# Altium PCB UVM AERO BSPD.PcbDoc (part 1 of 2) (continued)
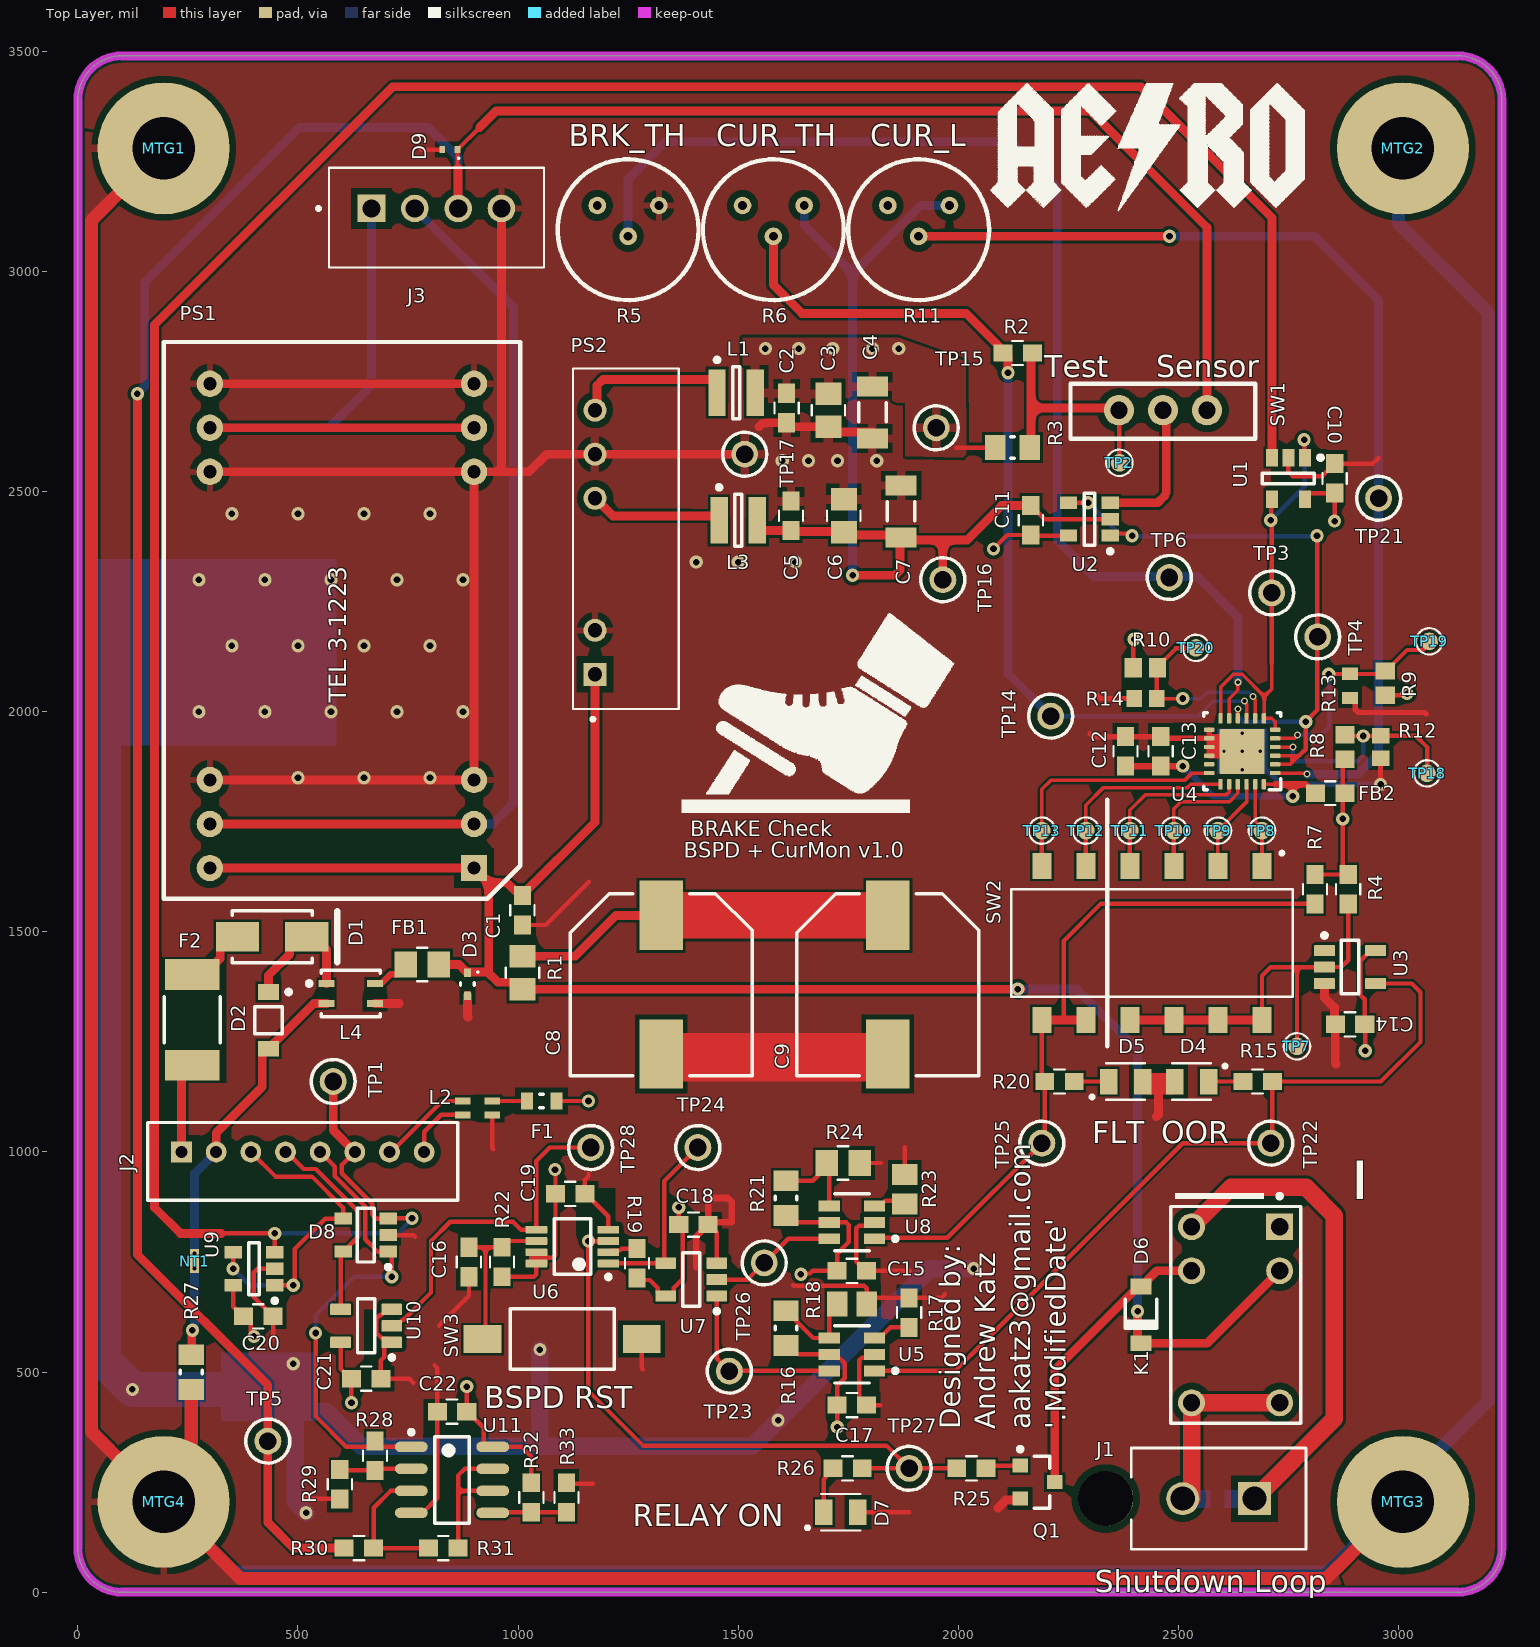
[diagram p0: Top Layer view]
## Part data (continued)
FB1: library part 742792097, "Ferrite Chip 1000 mA 1500 Ohms Differential Mode - Single 0805 Footprint", Current (mA)=1000, DC Resistance (ohms)=0.3, Frequency="100 MHz", Impedance at Freq (ohms)=1500, Manufacturer="Wurth Electronics", Operating Temperature Range="-55 to +125 °C", PCB Package=0805, ComponentLink1Description="Manufacturer Website", ComponentLink1URL=http://www.we-online.com, ComponentLink2Description="Component Datasheet", ComponentLink2URL=http://www.we-online.com/eisos/pdf/742792097.pdf, ComponentLink3Description="Octopart Link", ComponentLink3URL=http://octopart.com/partsearch/#search/requestData&q=742792097, Description in Visual="Ferrite SMT 1000mA 1500Ohm Dif Mode 0805", Filter type="Differential Mode - Single", Manufacturer P/N=742792097, P/N=742792097, Usage="Power Supply"
FB2: library part MMZ1608S121A, "Ferrite Chip 500 mA 120 Ohms Differential Mode - Single 0603 Footprint", Current (mA)=500, DC Resistance (ohms)=0.2, Frequency="100 MHz", Impedance at Freq (ohms)=120, Manufacturer=TDK, Operating Temperature Range="-55 to +125 °C", PCB Package=0603, ComponentLink1Description="Manufacturer Website", ComponentLink1URL=http://www.tdk.com/, ComponentLink2Description="Component Datasheet", ComponentLink2URL=http://www.tdk.co.jp/tefe02/e9412_mmz1608.pdf, ComponentLink3Description="Octopart Link", ComponentLink3URL=http://octopart.com/partsearch/#search/requestData&q=MMZ1608S121A, Description in Visual="Ferrite SMT 500mA 120Ohm Dif Mode 0603", Filter type="Differential Mode - Single", Manufacturer P/N=MMZ1608S121A, P/N=MMZ1608S121A, Usage="Signal Line"
J1: "Connector Header Through Hole 2 position 0.163\" (4.14mm)", Built_By=EMA_UL_Team, Copyright="Copyright (C) 2018 Accelerated Designs. All rights reserved", Manufacturer_Part_Number=1-770872-0, RefDes=RefDes, Type=DEV, Vendor="TE Connectivity"
J2: "Connector Header Through Hole 8 position 0.079\" (2.00mm)", Supplier Part Number 1=455-1710-ND, Supplier 1=Digi-Key
J3: "Connector Header Through Hole 4 position 0.098\" (2.50mm)", Manufacturer=JST, Supplier Part Number 1=73M9436, Datasheet Version=Apr-09, Manufacturer URL=http://www.jst.com/home2.html, No of Positions=4, Style/Orientation=StraightHeader/Plug, Supplier 1=Newark, Termination=Crimp, Type=ShroudedHeader
K1: "General Purpose Relay SPDT (1 Form C) Through Hole", Ambient Temperature Range High=+70°C, Ambient Temperature Range Low=-40°C, Coil Current=12.5mA, Coil Power=150mW, Coil Resistance=960Ω, Current Rating=2A, Digikey Part Number=Z774-ND, Manufacturer=Omron, Mouser Part Number=653-G5V-1-DC12, Switching Current=1A, Temperature="-40°C to +70°C", Automotive=No, Coil Type=Non-Latching, ComponentLink1Description=Upverter, ComponentLink1URL=https://upverter.com/upn/revision/60c0f3c9560d0c93/, ComponentLink2Description=Datasheet, ComponentLink2URL=https://omronfs.omron.com/en_US/ecb/products/pdf/en-g5v_1.pdf, Datasheet Path=datasheets/Relay_Omron_G5V-1-DC12_eec.pdf, Digikey Description="RELAY GEN PURPOSE SPDT 1A 125V", Height=10mm, HelpURL=https://upverter.com/upn/revision/60c0f3c9560d0c93/, Lead Free=Yes, Mouser Description="Relay; E-Mech; Low Signal; SPDT; Cur-Rtg 1A; Ctrl-V 12DC; Vol-Rtg 125/60AC/DC; PCB Mnt", Number of Contacts=1, Package=G5V-1-DC12, Part Number=G5V-1-DC12, Price=1.48127132607, RoHS=TRUE, Standoff Height=0.5mm, Supplier 1=Digi-Key, Supplier 2=Mouser, Supplier Part Number 1=Z774-ND, Supplier Part Number 2=653-G5V-1-DC12, Temperature Range High=+70°C, Temperature Range Low=-40°C, Throw Configuration=SPDT, Verification Version=0.0.0.1
L1 L3: "Semi-shielded Power Inductor, 22 uH, +/- 20%, 0.6 A, -40 to 125 degC, 3 x 3 x 1.5 mm SMD, RoHS and Halogen Free, Tape and Reel", Inductance="22 uH", Inductance Tolerance="+/- 20%", Manufacturer=Bourns, Operating Temperature="-40 to 125 degC", Rated current="0.6 A", Resistance to Solder Heat="+260 degC for 10 sec.", Supplier Part Number 1=SRN3015-220MCT-ND, ComponentLink1Description="Manufacturer URL", ComponentLink1URL=http://www.bourns.com/, ComponentLink2Description=Datasheet, ComponentLink2URL=http://www.bourns.com/data/global/pdfs/SRN3015.pdf, ComponentLink3Description="Package Specification", ComponentLink3URL=http://www.bourns.com/data/global/pdfs/SRN3015.pdf, DatasheetVersion=Aug-11, DCR Max="0.622 Ohm", Isat="0.58 A", Manufacturer 1=Bourns, Manufacturer Part Number 1=SRN3015-220M, Mounting Technology="Surface Mount", PackageDescription="2-Pin SMD, Body 3 x 3 mm, Height 1.5 mm", PackageReference=SRN3015, Packing="Tape and Reel", PartNumber=SRN3015-220M, RoHS=TRUE, SRF Min="28 MHz", Supplier 1=Digi-Key
L2: library part CMP-0222-00041-1, "SMD Common Mode Noise Suppressor WE-CNSW, Z = 260 Ohm", ComponentLink1Description="Manufacturer Link", ComponentLink1URL=http://www.we-online.com, ComponentLink2Description=Datasheet, ComponentLink2URL=http://www.we-online.de/katalog/media/pdf/744231261.pdf, DatasheetVersion="ver 4, Nov-2010", Impedance="260 Ohm", PackageDescription="SMD Inductor, 4-Leads, Body 1.4 x 2.2 mm", PackageReference=WE-CNSW-0805, PackageVersion=2010
L4: "Common Mode Filter, 1000 Ohm Impedance, 1.2 A, 60 V, -40 to 85 degC, 4-Pin SMD, RoHS, Tape and Reel", Current=1.5A, DC Resistance (DCR)=50mOhm, Inductance=-, Manufacturer=TDK, Operating Temperature=-40degC~85degC, Package / Case=1210(3225Metric),4Lead, Package Description="4-Pin Surface Mount Device, Body 3.2 x 2.5 mm, Pitch 1.15 mm", Package Reference=ACP3225-102-2P-T000-4, Standard Package=1, Category=Filters, Datasheet URL=https://datasheet.ciiva.com/30106/acp3225-series-30106482.pdf, Datasheet Version="Rev. 8, 07/2011", Family=CommonModeChokes, Featured Product=ACP3225SeriesFilter, Filter type=PowerLine, Height (Max)="0.079\"(2.00mm)", Impedance=1kOhm, Manufacturer 1=TDK, Manufacturer Part Number 1=ACP3225-102-2P-T000, Manufacturer URL=http://www.tdk.com/, Mounting Type=SurfaceMount, Number of Lines=2, Online Catalog=ACPSeries, Other Names=445-8637-6, Packaging=Digi-Reel, Series=ACP, Size / Dimension="0.126\"Lx0.098\"W(3.20mmx2.50mm)"
MTG1 MTG2 MTG3 MTG4: library part "MTG M3", "PCB Mounting for M3 Screw", PCB Package=M3, P/N="MTG M3"
NT1: library part "NET TIE", "Net Tie (No BOM)"
PS1: "Isolated Module DC DC Converter 2 Output 15V -15V   100mA, 100mA 9V - 18V Input", Supplier Part Number 1=1951-2538-ND, Supplier 1=Digi-Key
PS2: "Isolated Module DC DC Converter 2 Output 5V -5V   200mA, 200mA 10.8V - 13.2V Input", Supplier Part Number 1=811-3393-5-ND, Supplier 1=Digi-Key
Q1: library part CMP-2000-04929-1, "N-Channel Enhancement Mode Field Effect Transistor, 60 V, 0.115 A, -55 to 150 degC, 3-Pin SOT23, RoHS, Tape and Reel", Id - Continuous Drain Current=115mA, Manufacturer=DiodesIncorporated, Maximum Operating Temperature=+150C, Minimum Operating Temperature=-55C, Package / Case=SOT-23-3, Package Description="3-Pin Small Outline Transistor, Body 2.9 x 1.3 mm, Pitch 0.96 mm", Package Reference=SOT23-3, Pd - Power Dissipation=300mW, Rds On - Drain-Source Resistance=7.5Ohms, Vds - Drain-Source Breakdown Voltage=70V, Vgs - Gate-Source Voltage=20V, Brand=DiodesIncorporated, Channel Mode=Enhancement, Configuration=Single, Datasheet URL=http://datasheet.octopart.com/2N7002-7-F-Diodes-Inc.-datasheet-8326113.pdf, Datasheet Version="Rev. 21-2, 02/2009", Factory Pack Quantity=3000, Fall Time=5.6ns, Forward Transconductance - Min=0.08S, Height=1mm, Length=2.9mm, Manufacturer URL=http://www.diodes.com/, Mounting Style=SMD/SMT, Number of Channels=1Channel, Packaging=Reel, Product=MOSFETSmallSignal, Product Category=MOSFET, Rise Time=3ns, RoHS=True, Series=2N7002, Technology=Si, Transistor Polarity=N-Channel, Transistor Type=1N-Channel, Type=EnhancementModeFieldEffectTransistor, Typical Turn-Off Delay Time=11ns, Typical Turn-On Delay Time=7ns, Unit Weight=0.000282oz, Width=1.3mm
R1: "Resistor Surface Mount, 2 Ohms, 0805 Footprint, 1% Tolerance 0.125W", Manufacturer=Various, PCB Package=0805, Power_Rating=0.125W, Tolerance=1%, Description in Visual="Res SMT 2 0805  1%  0.125W", Manufacturer P/N=Various, P/N="RES 0805 2 1%", Tol=1%, Val=2
R2: "Resistor Surface Mount, 330K Ohms, 0603 Footprint, 1% Tolerance 0.1W", Manufacturer=Various, PCB Package=0603, Power_Rating=0.1W, Tolerance=1%, Description in Visual="Res SMT 330K 0603  1%  0.1W", Manufacturer P/N=Various, P/N="RES 0603 330K 1%", Tol=1%, Val=330K
R3 R16 R21 R27: library part CMP-2001-01491-1, Manufacturer=Yageo, Part Number=RT0805BRE071ML
R4 R7: "Resistor Surface Mount, 10K Ohms, 0603 Footprint, 1% Tolerance 0.1W", Manufacturer=Various, PCB Package=0603, Power_Rating=0.1W, Tolerance=1%, Description in Visual="Res SMT 10K 0603  1%  0.1W", Manufacturer P/N=Various, P/N="RES 0603 10K 1%", Tol=1%, Val=10K
R5 R6 R11: "10 kOhms 0.5W, 1/2W PC Pins Through Hole Trimmer Potentiometer Cermet 4 Turn Top Adjustment", Supplier Part Number 1=3339H-103LF-ND, ComponentLink2Description=Datasheet, ComponentLink2URL=https://www.ttelectronics.com/TTElectronics/media/ProductFiles/Trimmers/Datasheets/67.pdf, Supplier 1=Digi-Key
R8 R10: library part CMP-2000-02599-1, Manufacturer=Susumu, Part Number=RR0816P-301-D
R9: library part CMP-2000-02514-1, Manufacturer=Susumu, Part Number=RR0816P-183-D
R12 R14: library part CMP-2000-02579-1, Manufacturer=Susumu, Part Number=RR0816P-272-D
R13: library part CMP-2000-04621-1, Manufacturer=Yageo, Part Number=RT0603DRE072KL
R15 R20 R26: "Resistor Surface Mount, 620 Ohms, 0603 Footprint, 1% Tolerance 0.1W", Manufacturer=Various, PCB Package=0603, Power_Rating=0.1W, Tolerance=1%, Description in Visual="Res SMT 620 0603  1%  0.1W", Manufacturer P/N=Various, P/N="RES 0603 620 1%", Tol=1%, Val=620
R17: "Resistor Surface Mount, 49.9K Ohms, 0603 Footprint, 0.1% Tolerance 0.1W", Manufacturer=Various, PCB Package=0603, Power_Rating=0.1W, Tolerance=0.1%, Description in Visual="Res SMT 49.9K 0603  0.1%  0.1W", Manufacturer P/N=Various, P/N="RES 0603 49.9K 0.1%", Tol=0.1%, Val=49.9K
R18 R23: library part CMP-2001-00870-1, Manufacturer=Panasonic, Part Number=ERA6AEB6813V
R19 R25: "Resistor Surface Mount, 200 Ohms, 0603 Footprint, 1% Tolerance 0.1W", Manufacturer=Various, PCB Package=0603, Power_Rating=0.1W, Tolerance=1%, Description in Visual="Res SMT 200 0603  1%  0.1W", Manufacturer P/N=Various, P/N="RES 0603 200 1%", Tol=1%, Val=200
R22: "Resistor Surface Mount, 47K Ohms, 0603 Footprint, 1% Tolerance 0.1W", Manufacturer=Various, PCB Package=0603, Power_Rating=0.1W, Tolerance=1%, Description in Visual="Res SMT 47K 0603  1%  0.1W", Manufacturer P/N=Various, P/N="RES 0603 47K 1%", Tol=1%, Val=47K
R24: "Resistor Surface Mount, 523K Ohms, 0805 Footprint, 0.1% Tolerance 0.125W", Manufacturer=Various, PCB Package=0805, Power_Rating=0.125W, Tolerance=0.1%, Description in Visual="Res SMT 523K 0805  0.1%  0.125W", Manufacturer P/N=Various, P/N="RES 0805 523K 0.1%", Tol=0.1%, Val=523K
R28 R31: "Resistor Surface Mount, 51K Ohms, 0603 Footprint, 0.05% Tolerance 0.1W", Manufacturer=Various, PCB Package=0603, Power_Rating=0.1W, Tolerance=0.1%, Description in Visual="Res SMT 62.6K 0603  0.05%  0.1W", Manufacturer P/N=Various, P/N="RES 0603 62.6K 0.1%", Tol=0.1%, Val=62.6K
R29 R30 R32 R33: "Resistor Surface Mount, 100K Ohms, 0603 Footprint, 0.1% Tolerance 0.1W", Manufacturer=Various, PCB Package=0603, Power_Rating=0.1W, Tolerance=0.1%, Description in Visual="Res SMT 100K 0603  0.1%  0.1W", Manufacturer P/N=Various, P/N="RES 0603 100K 0.1%", Tol=0.1%, Val=100K
SW1: "Slide Switch SPDT Through Hole", Supplier Part Number 1=563-1388-ND, Supplier 1=Digi-Key
SW2: "Dip Switch SPST 6 Position Surface Mount Slide (Standard) Actuator 25mA 24VDC", Supplier Part Number 1=490-DS04254206BK-STR, Supplier 1=Mouser, Supplier 2=Mouser, Supplier Part Number 2=490-DS04254206BK-STR
SW3: "FSMSM Push Button Switch, 50 mA, -35 to 85 degC, 2-Pin SMD, RoHS, Tape and Reel", Case\/Package=SMD/SMT, Contact Current Rating=50mA, Contact Resistance=100mOhm, Manufacturer="TE Connectivity", Max Operating Temperature=85degC, Max Voltage Rating (DC)=12V, Min Operating Temperature=-35degC, Operating Force=180gf, Package Description="2-Pin Surface Mount Device, Body 6 x 3.5 mm, Pitch 9.19 mm", Package Quantity=1800, Supplier Part Number 1=450-1758-1-ND, Voltage Rating (DC)=24V, Actuator Length=1.07mm, Actuator Material=Polyamide, Contact Material=Brass, Contact Plating=Silver, Current Rating=50mA, Datasheet URL=http://www.te.com/commerce/DocumentDelivery/DDEController?Action=showdoc&DocId=Customer+Drawing%7F1437566-3%7FC2%7Fpdf%7FEnglish%7FENG_CD_1437566-3_C2_1437566_3_1_c.dwg.pdf%7F1437566-4, Datasheet Version="Rev. C2, 08/2014", Electrical Life=20000Cycles, ELV=Compliant, Illumination Type=Illuminated, Lead Free=LeadFree, Manufacturer 1="TE Connectivity", Manufacturer Part Number 1=FSMSMTR, Manufacturer URL=http://www.te.com/, Mechanical Life=20000Cycles, Mount=SurfaceMount, Mounting Technology=SurfaceMount, Orientation=Straight, Package Reference=FSMSMTR, Packaging=TapeandReel, REACH SVHC=Unknown, RoHSCompliant=true, Supplier 1=Digi-Key, Switch Travel=0.25mm, Termination=GullWing, Throw Configuration=SPST
TP1 TP5: "Test Point, Yellow, 1-Pin THD, RoHS, Bulk", Color=Yellow, Manufacturer=KeystoneElectronics, Supplier Part Number 1=36-5004-ND, Brand=KeystoneElectronics, Contact Material=PhosphorBronze, Datasheet URL=https://ciiva.com/datasheet-click-2917627?src=ciiva&sig=bd195616, Datasheet Version="Rev. G, 12/2008", Length=7.62mm, Manufacturer URL=http://www.keyelco.com/, Material=Nylon, Mounting Hole Size=1mm, Outside Diameter=2.54mm, Packaging=Bulk, Plating=Silver, Product=TestPoints, Product Category=CircuitBoardHardware-PCB, RoHS=True, Supplier 1=Digi-Key, Type=Miniature
TP2 TP7 TP8 TP9 TP10 TP11 TP12 TP13 TP18 TP19 TP20: library part TP_SMD
TP3 TP4: "Test Point, Brown, 1-Pin THD, RoHS, Bulk", Color=Brown, Manufacturer=KeystoneElectronics, Supplier Part Number 1=36-5115-ND, Brand=KeystoneElectronics, Contact Material=PhosphorBronze, Datasheet URL=https://ciiva.com/datasheet-click-2917627?src=ciiva&sig=bd195616, Datasheet Version="Rev. G, 12/2008", Length=7.62mm, Manufacturer URL=http://www.keyelco.com/, Material=Nylon, Mounting Hole Size=1mm, Outside Diameter=2.54mm, Packaging=Bulk, Plating=Silver, Product=TestPoints, Product Category=CircuitBoardHardware-PCB, RoHS=True, Supplier 1=Digi-Key, Type=Miniature
TP6 TP14 TP21: "Test Point, White, 1-Pin THD, RoHS, Bulk", Color=White, Manufacturer=KeystoneElectronics, Supplier Part Number 1=36-5002-ND, Brand=KeystoneElectronics, Contact Material=PhosphorBronze, Datasheet URL=https://ciiva.com/datasheet-click-2917627?src=ciiva&sig=bd195616, Datasheet Version="Rev. G, 12/2008", Length=7.62mm, Manufacturer URL=http://www.keyelco.com/, Material=Nylon, Mounting Hole Size=1mm, Outside Diameter=2.54mm, Packaging=Bulk, Plating=Silver, Product=TestPoints, Product Category=CircuitBoardHardware-PCB, RoHS=True, Supplier 1=Digi-Key, Type=Miniature
TP15: "Test Point, Red, 1-Pin THD, RoHS, Bulk", Color=Red, Manufacturer=KeystoneElectronics, Supplier Part Number 1=36-5000-ND, Brand=KeystoneElectronics, Contact Material=PhosphorBronze, Datasheet URL=https://ciiva.com/datasheet-click-2917627?src=ciiva&sig=bd195616, Datasheet Version="Rev. G, 12/2008", Length=7.62mm, Manufacturer URL=http://www.keyelco.com/, Material=Nylon, Mounting Hole Size=1mm, Outside Diameter=2.54mm, Packaging=Bulk, Plating=Silver, Product=TestPoints, Product Category=CircuitBoardHardware-PCB, RoHS=True, Supplier 1=Digi-Key, Type=Miniature
TP16: "Test Point, Black, 1-Pin THD, RoHS, Bulk", Color=Black, Manufacturer=KeystoneElectronics, Supplier Part Number 1=36-5001-ND, Brand=KeystoneElectronics, Contact Material=PhosphorBronze, Datasheet URL=https://ciiva.com/datasheet-click-2917627?src=ciiva&sig=bd195616, Datasheet Version="Rev. G, 12/2008", Length=7.62mm, Manufacturer URL=http://www.keyelco.com/, Material=Nylon, Mounting Hole Size=1mm, Outside Diameter=2.54mm, Packaging=Bulk, Plating=Silver, Product=TestPoints, Product Category=CircuitBoardHardware-PCB, RoHS=True, Supplier 1=Digi-Key, Type=Miniature
TP17: "Test Point, Green, 1-Pin THD, RoHS, Bulk", Color=Green, Manufacturer=KeystoneElectronics, Supplier Part Number 1=36-5116-ND, Brand=KeystoneElectronics, Contact Material=PhosphorBronze, Datasheet URL=https://ciiva.com/datasheet-click-2917627?src=ciiva&sig=bd195616, Datasheet Version="Rev. G, 12/2008", Length=7.62mm, Manufacturer URL=http://www.keyelco.com/, Material=Nylon, Mounting Hole Size=1mm, Outside Diameter=2.54mm, Packaging=Bulk, Plating=Silver, Product=TestPoints, Product Category=CircuitBoardHardware-PCB, RoHS=True, Supplier 1=Digi-Key, Type=Miniature
TP22 TP25: "Test Point, Purple, 1-Pin THD, RoHS, Bulk", Color=Purple, Manufacturer=KeystoneElectronics, Supplier Part Number 1=36-5119-ND, Brand=KeystoneElectronics, Contact Material=PhosphorBronze, Datasheet URL=https://ciiva.com/datasheet-click-2917627?src=ciiva&sig=bd195616, Datasheet Version="Rev. G, 12/2008", Length=7.62mm, Manufacturer URL=http://www.keyelco.com/, Material=Nylon, Mounting Hole Size=1mm, Outside Diameter=2.54mm, Packaging=Bulk, Plating=Silver, Product=TestPoints, Product Category=CircuitBoardHardware-PCB, RoHS=True, Supplier 1=Digi-Key, Type=Miniature
TP23 TP26: "Test Point, Grey, 1-Pin THD, RoHS, Bulk", Color=Grey, Manufacturer=KeystoneElectronics, Supplier Part Number 1=36-5118-ND, Brand=KeystoneElectronics, Contact Material=PhosphorBronze, Datasheet URL=https://ciiva.com/datasheet-click-2917627?src=ciiva&sig=bd195616, Datasheet Version="Rev. G, 12/2008", Length=7.62mm, Manufacturer URL=http://www.keyelco.com/, Material=Nylon, Mounting Hole Size=1mm, Outside Diameter=2.54mm, Packaging=Bulk, Plating=Silver, Product=TestPoints, Product Category=CircuitBoardHardware-PCB, RoHS=True, Supplier 1=Digi-Key, Type=Miniature
TP24: "Test Point, Orange, 1-Pin THD, RoHS, Bulk", Color=Orange, Manufacturer=KeystoneElectronics, Supplier Part Number 1=36-5003-ND, Brand=KeystoneElectronics, Contact Material=PhosphorBronze, Datasheet URL=https://ciiva.com/datasheet-click-2917627?src=ciiva&sig=bd195616, Datasheet Version="Rev. G, 12/2008", Length=7.62mm, Manufacturer URL=http://www.keyelco.com/, Material=Nylon, Mounting Hole Size=1mm, Outside Diameter=2.54mm, Packaging=Bulk, Plating=Silver, Product=TestPoints, Product Category=CircuitBoardHardware-PCB, RoHS=True, Supplier 1=Digi-Key, Type=Miniature
TP27 TP28: "Test Point, Blue, 1-Pin THD, RoHS, Bulk", Color=Blue, Manufacturer=KeystoneElectronics, Supplier Part Number 1=36-5117-ND, Brand=KeystoneElectronics, Contact Material=PhosphorBronze, Datasheet URL=https://ciiva.com/datasheet-click-2917627?src=ciiva&sig=bd195616, Datasheet Version="Rev. G, 12/2008", Length=7.62mm, Manufacturer URL=http://www.keyelco.com/, Material=Nylon, Mounting Hole Size=1mm, Outside Diameter=2.54mm, Packaging=Bulk, Plating=Silver, Product=TestPoints, Product Category=CircuitBoardHardware-PCB, RoHS=True, Supplier 1=Digi-Key, Type=Miniature
U1 U2 U9: library part CMP-1310-00381-1, "Low Voltage, Rail-to-Rail Output Operational Amplifier, 1.7 to 5.5 V, -40 to 85 degC, 5-Pin TSOP, Pb-Free, Tape and Reel", Manufacturer="On Semiconductor", ComponentLink1Description="Manufacturer URL", ComponentLink1URL=http://www.onsemi.com/, ComponentLink2Description=Datasheet, ComponentLink2URL=http://www.onsemi.cn/pub_link/Collateral/NCS2003-D.PDF, ComponentLink3Description="Package Specification", ComponentLink3URL=http://www.onsemi.com/pub_link/Collateral/483.PDF, DatasheetVersion="Rev. 3", Mounting Technology="Surface Mount", PackageDescription="5-Pin Small Outline Package, Body 3 x 1.5 mm, Pitch 0.95 mm", PackageReference=TSOP-5-483-02, PackageVersion="Rev. K, 04/2013", Packing="Tape and Reel", PartNumber=NCS2003SN2T1G, RoHS=TRUE, VCC Max (V)=5.5, VCC Min (V)=1.7
U3: library part CMP-0859-00134-3, "Single Inverter, DBV0005A, LARGE T&R", F @ Nom Voltage(Max)(Mhz)=150, Generic Part Number=SN74LVC1G04, ICC @ Nom Voltage(Max)(mA)=0.01, Manufacturer="Texas Instruments", Operating Temperature Range(C)="-40 to 125,-40 to 85", Rating=Catalog, tpd @ Nom Voltage(Max)(ns)=7.5,5.2,4.2,3.7, Voltage(Nom)(V)=1.8,2.5,3.3,5, 3-State Output=No, Bits(#)=1, DatasheetVersion=SCES214AD, Input Type=CMOS/TTL, Logic=Inverting, Output Drive (IOL/IOH)(Max)(mA)=32/-32, Output Type=CMOS, PackageReference=DBV0005A, Schmitt Trigger=No, Sub-Family="Inverting Buffer/Driver", Technology Family=LVC, VCC(Max)(V)=5.5, VCC(Min)(V)=1.65
U4: "Hex Window Comparator with 1.5% Precision and 400mV Reference, 24-pin LLP, 250 Reel", Manufacturer="Texas Instruments", PackageTopMarking=NS*UZXYTT*L7231SQ, PowerWise=N, Supplier Part Number 1=LMV7231SQE/NOPBCT-ND, Code_JEDEC=MO-220-WGGD-6, ComponentLink1Description="Datasheet URL", ComponentLink1URL=http://www.ti.com/general/docs/lit/getliterature.tsp?genericPartNumber=LMV7231&fileType=pdf, CompType=Comparator, PackageDescription="LLP, Plastic, Quad, 4 x 4 x 0.8mm Body, 24 Lead, 0.5mm Pitch, No Pullback", PackageReference=RTW0024A, PinCount=24, RoHS=Y, Supplier 1=Digi-Key
U5 U8: "IC DELAY LINE 8TAP PROG TSOT23-6", Capacitance=SKIP, Digikey Part Number=LTC6994CS6-1#TRMPBFCT-ND, Manufacturer="Linear Technologies", Mouser Part Number=584-C6994CS6-1TRMPBF, Package=TSOT23-6, Temperature="0°C to +70°C", Temperature Range High=+70°C, Temperature Range Low=0°C, ComponentLink1Description=Upverter, ComponentLink1URL=https://upverter.com/upn/revision/f62c3d807553aaaa/, ComponentLink2Description=Datasheet, ComponentLink2URL=http://cds.linear.com/docs/en/datasheet/699412fb.pdf, Datasheet Path=datasheets/IC_Linear_Technologies_LTC6994CS6-1#TRMPBF_eec.pdf, Datasheet Path1=datasheets/IC_Linear_Technologies_LTC6994CS6-1#TRMPBF_eec.pdf, Digikey Description="IC DELAY LINE 8TAP PROG TSOT23-6", HelpURL=https://upverter.com/upn/revision/f62c3d807553aaaa/, Inductance=SKIP, Lead Free=yes, Library Path1=parts/IC_Linear_Technologies_LTC6994CS6-1#TRMPBF_eec.SchLib, Library Ref1=LTC6994CS6-1#TRMPBF, Part Number=LTC6994CS6-1#TRMPBF, Price=2.01987952065, Resistance=SKIP, RoHS=TRUE, Supplier 1=Digi-Key, Supplier 2=Mouser, Supplier Part Number 1=LTC6994CS6-1#TRMPBFCT-ND, Supplier Part Number 2=584-C6994CS6-1TRMPBF, Voltage=SKIP
U6: library part CMP-0859-00537-3, "Single Positive-Edge-Triggered D-Type Flip-Flop with Clear and Preset, DCT0008A, LARGE T&R", F @ Nom Voltage(Max)(Mhz)=150, Generic Part Number=SN74LVC2G74, ICC @ Nom Voltage(Max)(mA)=0.01, Manufacturer="Texas Instruments", Operating Temperature Range(C)="-40 to 125,-40 to 85", Rating=Catalog, tpd @ Nom Voltage(Max)(ns)=13.4,7.1,5.9,4.1, Voltage(Nom)(V)=1.8,2.5,3.3,5, 3-State Output=No, Bits(#)=1, DatasheetVersion=SCES203O, Input Type=CMOS/TTL, Logic=True, Output Drive (IOL/IOH)(Max)(mA)=32/-32, Output Type=CMOS, PackageReference=DCT0008A, Schmitt Trigger=No, Sub-Family="D-Type Flip-Flop", Technology Family=LVC, VCC(Max)(V)=5.5, VCC(Min)(V)=1.65
U7: library part CMP-0859-00067-3, "Single 2-Input Positive-OR Gate, DBV0005A, LARGE T&R", F @ Nom Voltage(Max)(Mhz)=75, Generic Part Number=SN74AHCT1G32, ICC @ Nom Voltage(Max)(mA)=0.01, Manufacturer="Texas Instruments", Operating Temperature Range(C)="-40 to 125", Rating=Catalog, tpd @ Nom Voltage(Max)(ns)=8, Voltage(Nom)(V)=5, 3-State Output=No, Bits(#)=1, DatasheetVersion=SCLS320O, Gate Type=OR, Input Type=CMOS, Logic=True, Output Drive (IOL/IOH)(Max)(mA)=8/-8, Output Type=CMOS, PackageReference=DBV0005A, Schmitt Trigger=No, Sub-Family="OR Gate", Technology Family=AHCT, VCC(Max)(V)=5.5, VCC(Min)(V)=2
U10: library part CMP-0859-00122-3, "Single Power Supply, Single BUFFER GATE w/ 3-State Output (active low enable), DBV0005A, LARGE T&R", F @ Nom Voltage(Max)(Mhz)=50, Generic Part Number=SN74LV1T125, ICC @ Nom Voltage(Max)(mA)=0.01, Manufacturer="Texas Instruments", Operating Temperature Range(C)="-40 to 125", Rating=Catalog, tpd @ Nom Voltage(Max)(ns)=14.5,9.5,8.0,6.5, Voltage(Nom)(V)=1.8,2.5,3.3,5.5, 3-State Output=Yes, Bits(#)=1, DatasheetVersion=SCLS745A, Input Type=TTL, Logic=True, Output Drive (IOL/IOH)(Max)(mA)=8/-8, Output Type=CMOS, PackageReference=DBV0005A, Schmitt Trigger=No, Special Features="1.8V to 3.3V Up Translation,3.3V to 1.8V Down Translation,5V Input Tolerant", Sub-Family="Non-Inverting Buffer/Driver", Technology Family=LV1T, VCC(Max)(V)=5.5, VCC(Min)(V)=1.6
U11: library part CMP-0187-00288-2, "1 MHz, Low-Power Operational Amplifier, 8-Pin SOIC, Industrial Temperature, Tape and Reel", Code_IPC=SOIC127P600-8, Code_JEDEC=MS-012, ComponentLink1Description="Manufacturer URL", ComponentLink1URL=http://www.microchip.com/, ComponentLink2Description=Datasheet, ComponentLink2URL=http://ww1.microchip.com/downloads/en/DeviceDoc/21733j.pdf, ComponentLink3Description="Package Specification", ComponentLink3URL=http://www.microchip.com/stellent/groups/techpub_sg/documents/packagingspec/en012702.pdf, DatasheetVersion="revJ, Nov-2009", PackageDescription="8-Lead Plastic Small Outline (SN) - Narrow, 3.90mm Body [SOIC]", PackageReference=SOIC-SN8, PackageVersion="revBB, Aug-2009", RevisionNote="URLs added."

## Via types
v1: diameter 30, hole 15, Top Layer to Bottom Layer, tented both sides, 79 vias
v2: diameter 16, hole 9, Top Layer to Bottom Layer, tented both sides, 7 vias
v3: diameter 19.68, hole 7.87, Top Layer to Bottom Layer, tented both sides, 5 vias

## Nets (pads, with @x,y where several pads share a name; then routed paths per layer and width w, separated by ;. In a path a pad name is that pad's centre, name@x,y a point inside that pad or via, vN(x,y) a via of type N, cw(c..) or ccw(c..) an arc to the next point about the centre after c; other vN are vias at no path point)
2.5_FB: R31.1 U11.6 U11.7 | length 316
  Top Layer w10: R31.1@863.78,100 863.78,230 ; U11.7@929.86,280 878.83,280 863.78,264.95 863.78,230 ; U11.6@942.52,230 863.78,230
2.5_RDIV: R32.1 R33.2 U11.5 | length 168.1
  Top Layer w10: U11.5@942.52,180 944.06,181.54 R33.2@1110,181.54
5V_COMP: C12.2 C13.2 FB2.2 U4.24 | length 561.2
  Top Layer w8: U4.24@2694.21,1835.2 2719.8,1835.2
  Top Layer w10: FB2.2@2809.5,1815 FB2.2@2811.5,1815
  Top Layer w15: C12.2@2380,1876.54 C13.2@2460,1876.54 v1(2510,1876.54) ; 2719.8,1835.2 2760,1835.2 ; v1(2760,1808) 2760,1835.2 ; FB2.2@2809.5,1815 2789.3,1835.2 2760,1835.2
  Bottom Layer w15: v1(2510,1876.54) 2578.54,1808 v1(2760,1808)
12V_CAP: C8.1 C9.1 R1.2 | length 353.5
  Top Layer w20: R1.2@1010,1444.51 1129.44,1444.51 1222.41,1537.48 C8.1@1325,1537.48